# Altium PCB EPS_V1.PcbDoc
Units mm, origin at the board's own origin, x right, y up, seen from the top; angles counter-clockwise.
Board outline 90.17 x 95.89 mm, 4 copper layers (Top Layer, Int1 (GND), Int2 (PWR), Bottom Layer), stack 1.369 mm thick; 54 components, 39 nets, 339 pads, 0 vias.
Unrouted connection lines stored in the file: 126.
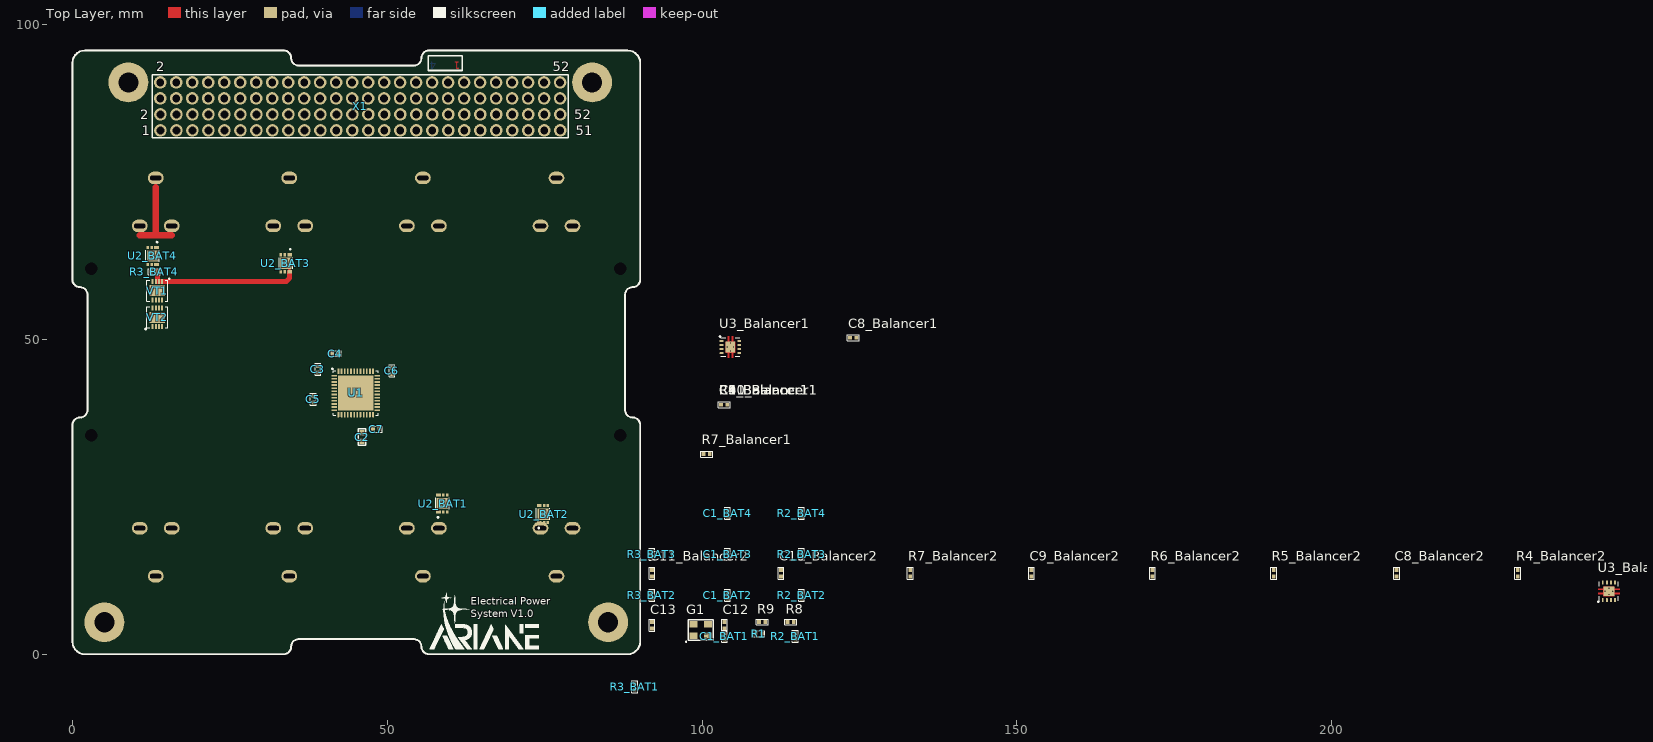
[diagram p0: Top Layer view]
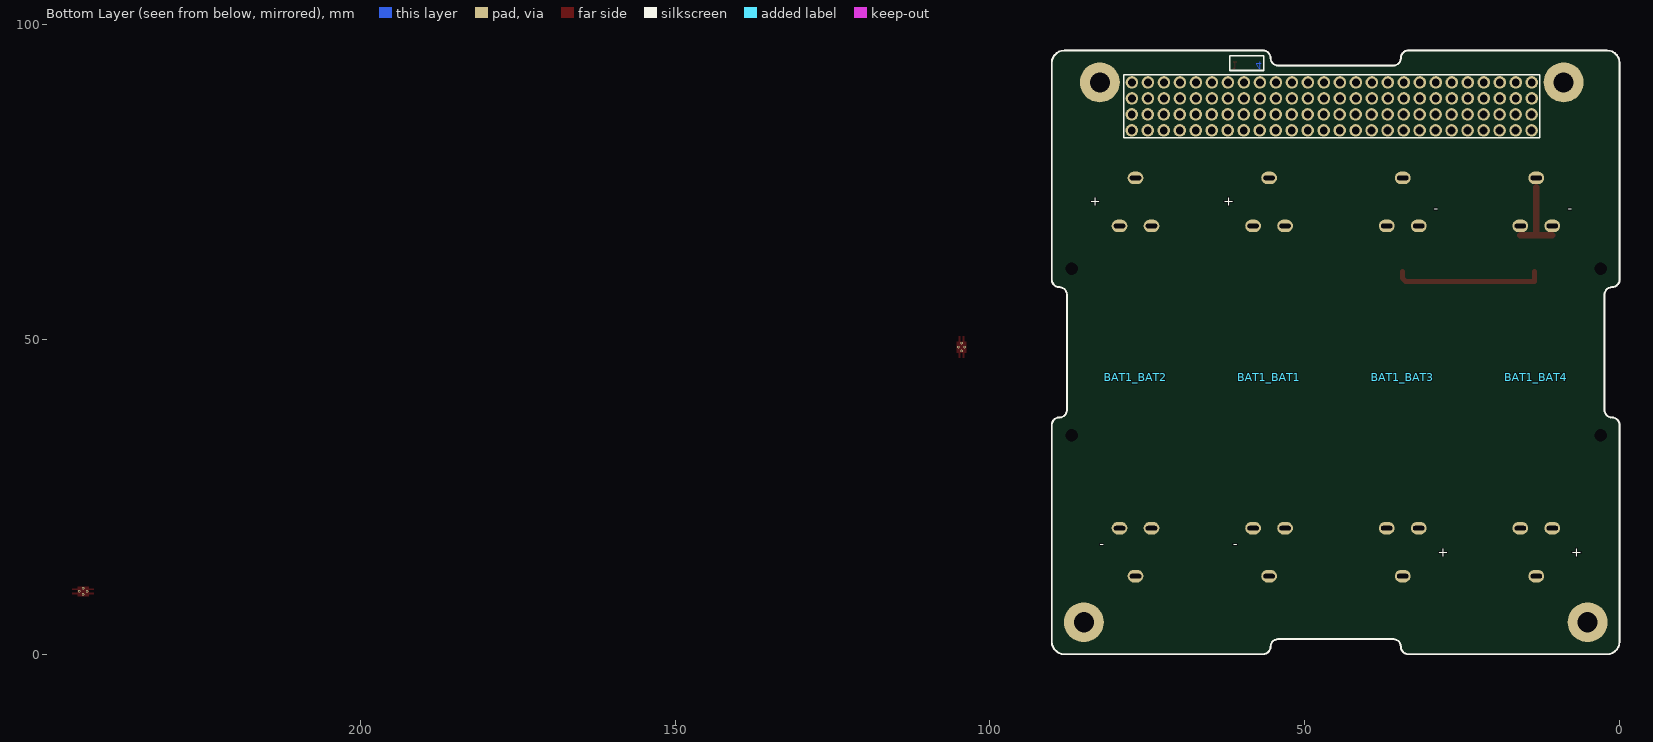
[diagram p1: Bottom Layer view, seen from below]
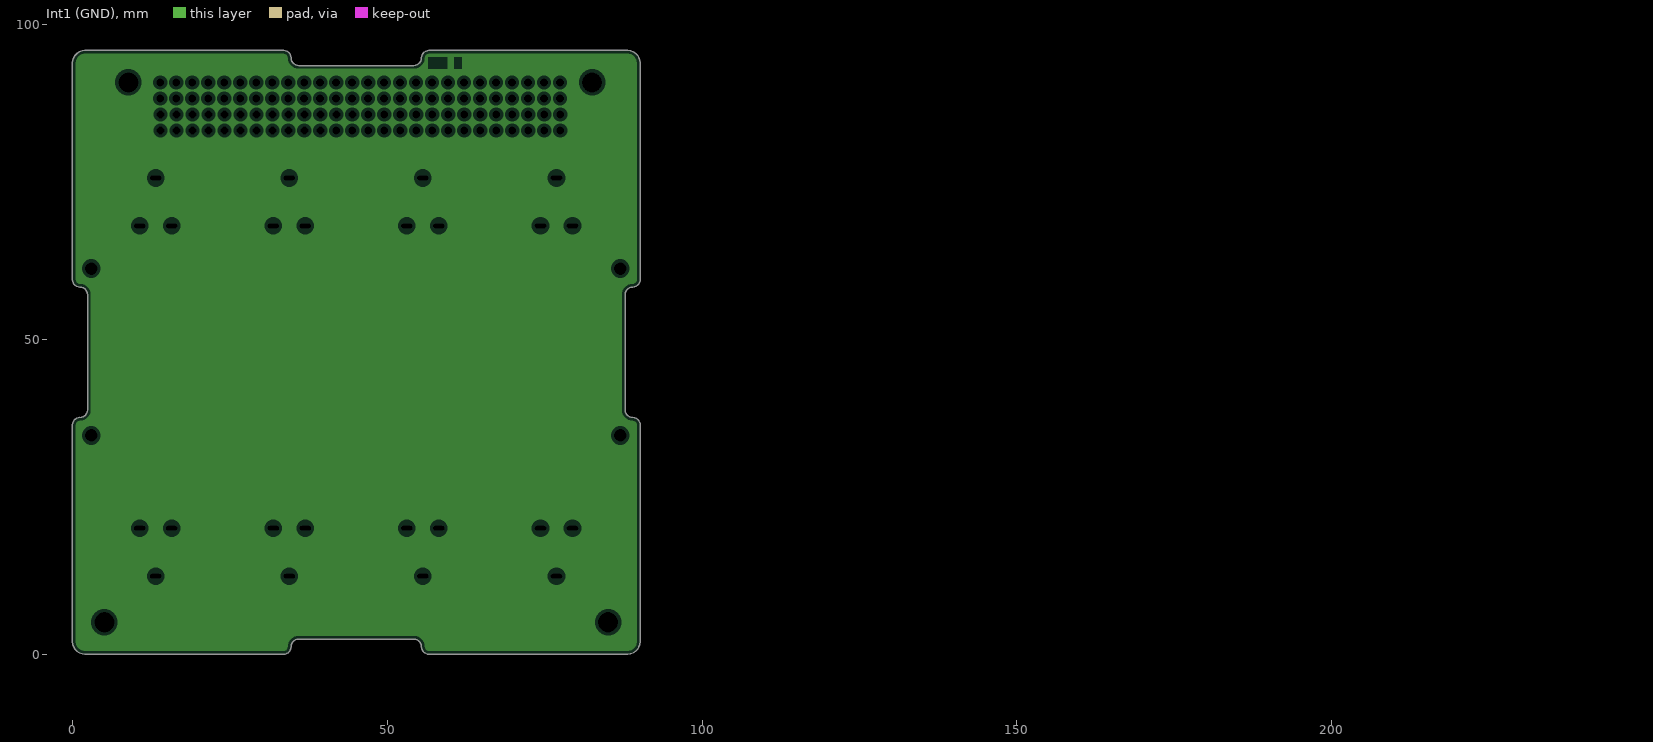
[diagram p2: Int1 (GND), clearances drawn from the general rule]
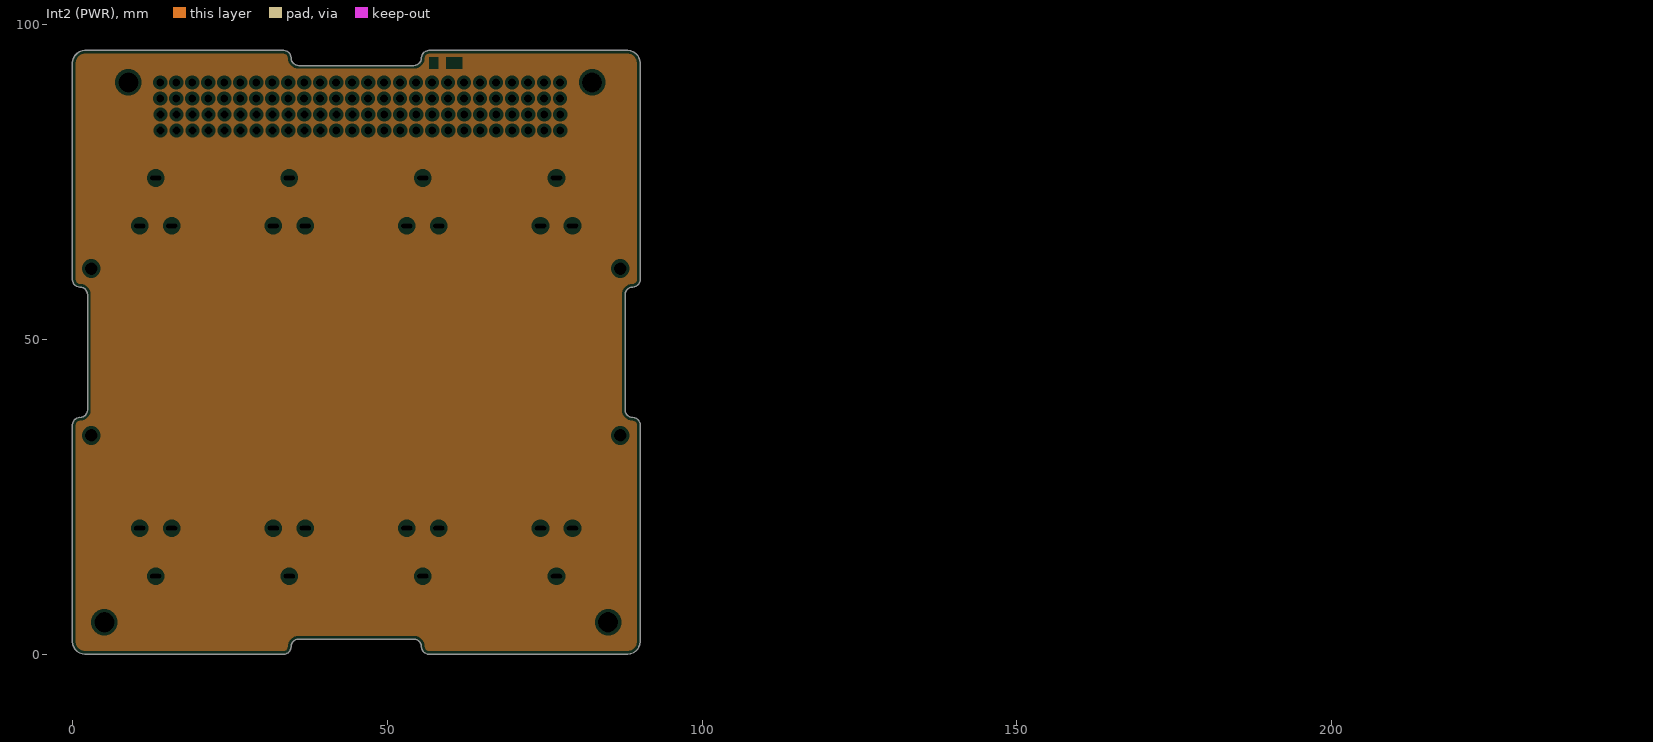
[diagram p3: Int2 (PWR), clearances drawn from the general rule]

## Layer stack, top to bottom
Top Solder: solder mask 0.0254, SM-001, Dk 4
Top Layer: signal copper 0.035
Dielectric 1: prepreg 0.1295, PP-017, Dk 4.3
Dielectric 2: prepreg 0.1295, PP-017, Dk 4.3
Int1 (GND): plane copper 0.035
Dielectric 3: core 0.7112, Core-039, Dk 4.8
Int2 (PWR): plane copper 0.035
Dielectric 4: prepreg 0.1295, PP-017, Dk 4.3
Dielectric 5: prepreg 0.1295, PP-017, Dk 4.3
Bottom Layer: signal copper 0.035
Bottom Solder: solder mask 0.0254, SM-001, Dk 4

## Board outline
0.003,2.002 0.053,1.557 0.201,1.135 0.439,0.755 0.756,0.439 1.135,0.2 1.558,0.053 2.003,0.002 33.538,0.002 33.805,0.033 34.059,0.121 34.286,0.264 34.476,0.454 34.619,0.682 34.708,0.935 34.738,1.202 34.768,1.469 34.857,1.723 35,1.951 35.19,2.141 35.417,2.284 35.671,2.372 35.938,2.402 54.238,2.402 54.505,2.372 54.759,2.284 54.986,2.141 55.176,1.951 55.319,1.723 55.408,1.469 55.438,1.202 55.468,0.935 55.557,0.682 55.7,0.454 55.89,0.264 56.117,0.121 56.371,0.033 56.638,0.002 88.173,0.002 88.618,0.053 89.041,0.2 89.42,0.439 89.737,0.755 89.975,1.135 90.123,1.557 90.173,2.002 90.173,36.397 90.143,36.664 90.054,36.918 89.911,37.146 89.721,37.336 89.494,37.479 89.24,37.567 88.973,37.597 88.706,37.628 88.452,37.716 88.225,37.859 88.035,38.049 87.892,38.277 87.803,38.53 87.773,38.797 87.773,57.097 87.803,57.364 87.892,57.618 88.035,57.846 88.225,58.036 88.452,58.179 88.706,58.267 88.973,58.297 89.24,58.328 89.494,58.416 89.721,58.559 89.911,58.749 90.054,58.977 90.143,59.23 90.173,59.497 90.173,93.892 90.123,94.337 89.975,94.76 89.737,95.139 89.42,95.456 89.041,95.694 88.618,95.842 88.173,95.892 56.638,95.892 56.371,95.862 56.117,95.774 55.89,95.631 55.7,95.441 55.557,95.213 55.468,94.959 55.438,94.692 55.408,94.425 55.319,94.172 55.176,93.944 54.986,93.754 54.759,93.611 54.505,93.523 54.238,93.492 35.938,93.492 35.671,93.523 35.417,93.611 35.19,93.754 35,93.944 34.857,94.172 34.768,94.425 34.738,94.692 34.708,94.959 34.619,95.213 34.476,95.441 34.286,95.631 34.059,95.774 33.805,95.862 33.538,95.892 2.003,95.892 1.558,95.842 1.135,95.694 0.756,95.456 0.439,95.139 0.201,94.76 0.053,94.337 0.003,93.892 0.003,59.497 0.033,59.23 0.122,58.977 0.265,58.749 0.455,58.559 0.682,58.416 0.936,58.328 1.203,58.297 1.47,58.267 1.724,58.179 1.951,58.036 2.141,57.846 2.284,57.618 2.373,57.364 2.403,57.097 2.403,38.797 2.373,38.53 2.284,38.277 2.141,38.049 1.951,37.859 1.724,37.716 1.47,37.628 1.203,37.597 0.936,37.567 0.682,37.479 0.455,37.336 0.265,37.146 0.122,36.918 0.033,36.664 0.003,36.397

## Design rules (kind name [scope] priority, off if disabled: settings)
BoardOutlineClearance [All] p1: gap=0.3 ignorepadtopadclearanceinfootprint=FALSE
Clearance Clearance_MultiLayerPad [OnLayer('Multi-Layer') and IsPad] p1: gap=0.2 ignorepadtopadclearanceinfootprint=FALSE except(0: Arc-Hole Track-Hole SMDPad-Hole THPad-Hole Via-Hole Fill-Hole Poly-Hole Region-Hole Text-Hole)
Clearance Clearance_Polygon [InPolygon] p2: gap=0.15 ignorepadtopadclearanceinfootprint=FALSE except(0: Arc-Hole Track-Hole SMDPad-Hole THPad-Hole Via-Hole Fill-Hole Poly-Hole Region-Hole Text-Hole; 0.2: Arc-Poly Arc-Region Track-Poly Track-Region SMDPad-Poly SMDPad-Region THPad-Poly THPad-Region Via-Poly Via-Region Fill-Poly Fill-Region Poly-Poly Poly-Region)
Clearance [All] p3: gap=0.15 ignorepadtopadclearanceinfootprint=FALSE except(0: Arc-Hole Track-Hole SMDPad-Hole THPad-Hole Via-Hole Fill-Hole Poly-Hole Region-Hole Text-Hole)
ComponentClearance [All] p1: gap=0.5 collisioncheckmode=3 verticalgap=0.5 showdistances=FALSE
DiffPairsRouting [All] p1: maxlimit=0.4 minlimit=0.15 mostfreqgap=0.3 toplayer_minwidth=0.15 toplayer_maxwidth=0.3 toplayer_prefwidth=0.15 bottomlayer_minwidth=0.15 bottomlayer_maxwidth=0.3 bottomlayer_prefwidth=0.15 maxuncoupledlength=12.7
Height [All] p1: minheight=0 maxheight=50 prefheight=12.7
HoleSize [All] p1: absolutevalues=TRUE maxlimit=10 minlimit=0.3 maxpercent=80.000 minpercent=20.000
HoleToHoleClearance [All] p1: gap=0.3 allowstackedmicrovias=TRUE
MinimumSolderMaskSliver [All] p1: minsoldermaskwidth=0.2
PlaneClearance [All] p1: clearance=0.5
PlaneConnect [All] p1: planeconnectstyle=Relief reliefexpansion=0.5 reliefentries=4 reliefconductorwidth=0.3 reliefairgap=0.2
PolygonConnect PolygonConnect_PadGND [InNet('GND') and IsPad] p1: connectstyle=Relief reliefconductorwidth=0.3 reliefentries=4 polygonreliefangle="90 Angle" airgapwidth=0.2
PolygonConnect PolygonConnect_Via [IsVia] p2: connectstyle=Direct reliefconductorwidth=0.254 reliefentries=4 polygonreliefangle="90 Angle" airgapwidth=0.254
PolygonConnect [All] p3: connectstyle=Relief reliefconductorwidth=0.3 reliefentries=4 polygonreliefangle="90 Angle" airgapwidth=0.2
RoutingVias [All] p1: holewidth=0.3 width=0.7 viastyle="Through Hole" minholewidth=0.3 minwidth=0.6 maxholewidth=0.5 maxwidth=1.2
SilkToSolderMaskClearance [IsPad] p1: minsilkscreentomaskgap=0.2 clearancetoexposedcopper=TRUE
SolderMaskExpansion [All] p1: expansion=0.075 istentingtop=FALSE
Width [All] p1: maxlimit=10 minlimit=0.15 preferedwidth=0.15
21 further rules are at their usual default settings.

## Classes and differential pairs
channel class Balancer: Balancer1 Balancer2
channel class MPPT: MPPT1 MPPT2
channel class DC-step-down: Step-Down1 Step-Down2
channel class BMS: BAT1 BAT2 BAT3 BAT4

## Components (designator, comment, footprint, x,y, rotation, side; value= is the part's Value field where it differs from the comment)
BAT1_BAT1 "Order?" BAT_18650_CLIPS 55.661,44.02 r0 bottom (schematic designator BAT1)
BAT1_BAT2 "Order?" BAT_18650_CLIPS 76.878,44.02 r0 bottom (schematic designator BAT1)
BAT1_BAT3 "Order?" BAT_18650_CLIPS 34.445,44.02 r180 bottom (schematic designator BAT1)
BAT1_BAT4 "Order?" BAT_18650_CLIPS 13.229,44.02 r180 bottom (schematic designator BAT1)
C1_BAT1 "CERCAP 0402 0.1uF * X7R" "CERCAP 0402" 103.543,2.858 r90 top value=0.1uF (schematic designator C1)
C1_BAT2 "CERCAP 0402 0.1uF * X7R" "CERCAP 0402" 104.043,9.358 r90 top value=0.1uF (schematic designator C1)
C1_BAT3 "CERCAP 0402 0.1uF * X7R" "CERCAP 0402" 104.043,15.858 r90 top value=0.1uF (schematic designator C1)
C1_BAT4 "CERCAP 0402 0.1uF * X7R" "CERCAP 0402" 104.043,22.358 r90 top value=0.1uF (schematic designator C1)
C2 "CERCAP 0603 4.7uF * X7R" "CERCAP 0603" 46,34.5 r90 top value=4.7uF
C3 "CERCAP 0402 0.1uF * X7R" "CERCAP 0402" 39,45.25 r270 top value=0.1uF
C4 "CERCAP 0402 0.1uF * X7R" "CERCAP 0402" 41.75,47.75 r180 top value=0.1uF
C5 "CERCAP 0402 0.1uF * X7R" "CERCAP 0402" 38.25,40.5 r270 top value=0.1uF
C6 "CERCAP 0402 0.1uF * X7R" "CERCAP 0402" 50.75,45 r90 top value=0.1uF
C7 "CERCAP 0402 0.1uF * X7R" "CERCAP 0402" 48.25,35.75 r0 top value=0.1uF
C8_Balancer1 "CERCAP 0402 0.1uF * X7R" "CERCAP 0402" 124,50.25 r0 top value=0.1uF (schematic designator C8)
C8_Balancer2 "CERCAP 0402 0.1uF * X7R" "CERCAP 0402" 210.292,12.858 r90 top value=0.1uF (schematic designator C8)
C9_Balancer1 "CERCAP 0402 0.1uF * X7R" "CERCAP 0402" 103.5,39.625 r0 top value=0.1uF (schematic designator C9)
C9_Balancer2 "CERCAP 0402 0.1uF * X7R" "CERCAP 0402" 152.293,12.858 r90 top value=0.1uF (schematic designator C9)
C10_Balancer1 "CERCAP 0402 0.1uF * X7R" "CERCAP 0402" 103.5,39.625 r0 top value=0.1uF (schematic designator C10)
C10_Balancer2 "CERCAP 0402 0.1uF * X7R" "CERCAP 0402" 112.543,12.858 r90 top value=0.1uF (schematic designator C10)
C11_Balancer1 "CERCAP 0402 0.1uF * X7R" "CERCAP 0402" 103.5,39.625 r0 top value=0.1uF (schematic designator C11)
C11_Balancer2 "CERCAP 0402 0.1uF * X7R" "CERCAP 0402" 92.043,12.858 r90 top value=0.1uF (schematic designator C11)
C12 "CERCAP 0402 22pF * X7R" "CERCAP 0402" 103.543,4.608 r90 top value=22pF
C13 "CERCAP 0402 22pF * X7R" "CERCAP 0402" 92.043,4.608 r90 top value=22pF
G1 "322512 MHz" 3225 99.793,3.858 r0 top value="12 MHz"
R1 "RES 0402 10k" "RES 0402" 109,3.25 r0 top value=10k
R2_BAT1 "RES 0402 330" "RES 0402" 114.793,2.858 r90 top value=330 (schematic designator R2)
R2_BAT2 "RES 0402 330" "RES 0402" 115.793,9.358 r90 top value=330 (schematic designator R2)
R2_BAT3 "RES 0402 330" "RES 0402" 115.793,15.858 r90 top value=330 (schematic designator R2)
R2_BAT4 "RES 0402 330" "RES 0402" 115.793,22.358 r90 top value=330 (schematic designator R2)
R3_BAT1 "RES 0402 2.7k" "RES 0402" 89.293,-5.142 r90 top value=2.7k (schematic designator R3)
R3_BAT2 "RES 0402 2.7k" "RES 0402" 92.043,9.358 r90 top value=2.7k (schematic designator R3)
R3_BAT3 "RES 0402 2.7k" "RES 0402" 92.043,15.858 r90 top value=2.7k (schematic designator R3)
R3_BAT4 "RES 0402 2.7k" "RES 0402" 13,60.75 r180 top value=2.7k (schematic designator R3)
R4_Balancer1 "RES 0402 160" "RES 0402" 103.5,39.625 r0 top value=160 (schematic designator R4)
R4_Balancer2 "RES 0402 160" "RES 0402" 229.542,12.858 r90 top value=160 (schematic designator R4)
R5_Balancer1 "RES 0402 260" "RES 0402" 103.5,39.625 r0 top value=260 (schematic designator R5)
R5_Balancer2 "RES 0402 260" "RES 0402" 190.792,12.858 r90 top value=260 (schematic designator R5)
R6_Balancer1 "RES 0402 100" "RES 0402" 103.5,39.625 r0 top value=100 (schematic designator R6)
R6_Balancer2 "RES 0402 100" "RES 0402" 171.542,12.858 r90 top value=100 (schematic designator R6)
R7_Balancer1 "RES 0402 100" "RES 0402" 100.72,31.779 r0 top value=100 (schematic designator R7)
R7_Balancer2 "RES 0402 100" "RES 0402" 133.043,12.858 r90 top value=100 (schematic designator R7)
R8 "RES 0402 10k" "RES 0402" 114.043,5.108 r0 top value=10k
R9 "RES 0402 10k" "RES 0402" 109.543,5.108 r0 top value=10k
U1 "STM32F4xxCxU" QFN-48 45,41.5 r0 top
U2_BAT1 "AP9211" DFN-8-2x3 58.753,23.935 r90 top (schematic designator U2)
U2_BAT2 "AP9211" DFN-8-2x3 74.75,22.25 r90 top (schematic designator U2)
U2_BAT3 "AP9211" DFN-8-2x3 33.9,62.1 r270 top (schematic designator U2)
U2_BAT4 "AP9211" DFN-8-2x3 12.75,63.25 r270 top (schematic designator U2)
U3_Balancer1 "BQ2920" VSON-8 104.5,48.788 r0 top (schematic designator U3)
U3_Balancer2 "BQ2920" VSON-8 244,10 r90 top (schematic designator U3)
VT1 "!Generic N MOSFET" DFN-8_3x3 13.5,57.75 r270 top
VT2 "!Generic N MOSFET" DFN-8_3x3 13.5,53.494 r90 top
X1 "PC104" PC104_ArianSpace 8.893,90.812 r0 top locked

## Footprints (in the part's own frame and the unit in brackets; to place one, negate y for a bottom-side part, rotate by r counter-clockwise, add the part's x,y. Pads: shape width x height; smd on the part's side, far side on the other; paste and mask are expansions set on the pad)
3225 [mm]
  rect 1.3x1.05 smd: 1(-1.15,-0.925) 2(1.15,-0.925) 3(1.15,0.925) 4(-1.15,0.925)
  silkscreen extent -2.39,-1.94 2,1.65, body extent -1.6,-1.25 1.6,1.25, height 0.81
BAT_18650_CLIPS [mm]
  oval 2.5x2 hole 0.7 slot 1.8 at 0 deg unplated: A(-2.54,-24) A(0,-31.62) A(2.54,-24) K(-2.54,24) K(0,31.62) K(2.54,24)
  body extent -10.29,-37.18 10.29,37.28, height 21
"CERCAP 0402" [mm]
  rect 0.6x0.6 smd: 1(-0.5,0) 2(0.5,0)
  silkscreen extent -0.96,-0.46 0.95,0.46, body extent -0.51,-0.25 0.51,0.25, height 0.51
"CERCAP 0603" [mm]
  rect 0.85x0.85 smd: 1(-0.7,0) 2(0.7,0)
  silkscreen extent -1.33,-0.63 1.33,0.63, body extent -0.8,-0.4 0.8,0.4, height 0.3
DFN-8-2x3 [mm]
  rect 0.5x0.75 smd: 1(-1.35,0.6) 6(1.35,0.6)
  rect 0.5x0.4 smd: 2(-1.35,-0.175) 3(-1.35,-0.775) 4(1.35,-0.775) 5(1.35,-0.175)
  rect 1.8x1.8 smd paste-2: TH(0,0)
  silkscreen extent -2.3,-1.07 0.9,1.07, body extent -1.52,-1 1.53,1, height 1
DFN-8_3x3 [mil]
  rect 31x12 smd: 1(-57.5,29.53) 2(-57.5,9.84) 3(-57.5,-9.84) 4(-57.5,-29.53) 5(57.5,-29.53) 6(57.5,-9.84) 7(57.5,9.84) 8(57.5,29.53)
  rect 69x98 smd paste-78.74: TH(0,0)
  silkscreen extent -77,-66 66,78, body extent -59,-59 59,59, height 31
PC104_ArianSpace [mm]
  round 2 hole 1.25 unplated mask+0: 1(5.079,-7.62) 2(5.08,-5.08) 3(7.619,-7.62) 4(7.62,-5.08) 5(10.159,-7.62) 6(10.16,-5.08) 7(12.699,-7.62) 8(12.7,-5.08) 9(15.239,-7.62) 10(15.24,-5.08) 11(17.779,-7.62) 12(17.78,-5.08) 13(20.319,-7.62) 14(20.32,-5.08) 15(22.859,-7.62) 16(22.86,-5.08) 17(25.399,-7.62) 18(25.4,-5.08) 19(27.939,-7.62) 20(27.94,-5.08) 21(30.479,-7.62) 22(30.48,-5.08) 23(33.019,-7.62) 24(33.02,-5.08) 25(35.559,-7.62) 26(35.56,-5.08) 27(38.099,-7.62) 28(38.1,-5.08) 29(40.639,-7.62) 30(40.64,-5.08) 31(43.179,-7.62) 32(43.18,-5.08) 33(45.719,-7.62) 34(45.72,-5.08) 35(48.259,-7.62) 36(48.26,-5.08) 37(50.799,-7.62) 38(50.8,-5.08) 39(53.339,-7.62) 40(53.34,-5.08) 41(55.879,-7.62) 42(55.88,-5.08) 43(58.419,-7.62) 44(58.42,-5.08) 45(60.959,-7.62) 46(60.96,-5.08) 47(63.499,-7.62) 48(63.5,-5.08) 49(66.039,-7.62) 50(66.04,-5.08) 51(68.579,-7.62) 52(68.58,-5.08) 53(5.057,-2.54) 54(5.058,0) 55(7.597,-2.54) 56(7.598,0) 57(10.137,-2.54) 58(10.138,0) 59(12.677,-2.54) 60(12.678,0) 61(15.217,-2.54) 62(15.218,0) 63(17.757,-2.54) 64(17.758,0) 65(20.297,-2.54) 66(20.298,0) 67(22.837,-2.54) 68(22.838,0) 69(25.377,-2.54) 70(25.378,0) 71(27.917,-2.54) 72(27.918,0) 73(30.457,-2.54) 74(30.458,0) 75(32.997,-2.54) 76(32.998,0) 77(35.537,-2.54) 78(35.538,0) 79(38.077,-2.54) 80(38.078,0) 81(40.617,-2.54) 82(40.618,0) 83(43.157,-2.54) 84(43.158,0) 85(45.697,-2.54) 86(45.698,0) 87(48.237,-2.54) 88(48.238,0) 89(50.777,-2.54) 90(50.778,0) 91(53.317,-2.54) 92(53.318,0) 93(55.857,-2.54) 94(55.858,0) 95(58.397,-2.54) 96(58.398,0) 97(60.937,-2.54) 98(60.938,0) 99(63.477,-2.54) 100(63.478,0) 101(66.017,-2.54) 102(66.018,0) 103(68.557,-2.54) 104(68.558,0)
  silkscreen extent 3.76,-8.81 69.82,1.22, body extent 3.76,-8.84 69.8,1.32, height 7.68
QFN-48 [mm]
  rrect25% 0.87x0.27 smd: 1(-3.43,2.75) 2(-3.43,2.25) 3(-3.43,1.75) 4(-3.43,1.25) 5(-3.43,0.75) 6(-3.43,0.25) 7(-3.43,-0.25) 8(-3.43,-0.75) 9(-3.43,-1.25) 10(-3.43,-1.75) 11(-3.43,-2.25) 12(-3.43,-2.75) 25(3.43,-2.75) 26(3.43,-2.25) 27(3.43,-1.75) 28(3.43,-1.25) 29(3.43,-0.75) 30(3.43,-0.25) 31(3.43,0.25) 32(3.43,0.75) 33(3.43,1.25) 34(3.43,1.75) 35(3.43,2.25) 36(3.43,2.75)
  rrect25% 0.27x0.87 smd: 13(-2.75,-3.43) 14(-2.25,-3.43) 15(-1.75,-3.43) 16(-1.25,-3.43) 17(-0.75,-3.43) 18(-0.25,-3.43) 19(0.25,-3.43) 20(0.75,-3.43) 21(1.25,-3.43) 22(1.75,-3.43) 23(2.25,-3.43) 24(2.75,-3.43) 37(2.75,3.43) 38(2.25,3.43) 39(1.75,3.43) 40(1.25,3.43) 41(0.75,3.43) 42(0.25,3.43) 43(-0.25,3.43) 44(-0.75,3.43) 45(-1.25,3.43) 46(-1.75,3.43) 47(-2.25,3.43) 48(-2.75,3.43)
  rect 5.6x5.6 smd paste-4: TH(0,0)
  silkscreen extent -3.8,-3.55 3.55,3.93, body extent -3.51,-3.51 3.51,3.51, height 0.78
"RES 0402" [mm]
  rect 0.6x0.6 smd: 1(-0.5,0) 2(0.5,0)
  silkscreen extent -0.95,-0.46 0.95,0.46, body extent -0.52,-0.25 0.48,0.25, height 0.34
VSON-8 [mm]
  rrect25% 0.6x0.31 smd mask+0: 1(-1.4,0.975) 2(-1.4,0.325) 3(-1.4,-0.325) 4(-1.4,-0.975) 5(1.4,-0.975) 6(1.4,-0.325) 7(1.4,0.325) 8(1.4,0.975)
  round 0.4 hole 0.2 mask+0: TH(-0.5,0) TH(0,-0.625) TH(0,0.625) TH(0.5,0)
  rect 1.5x1.75 smd paste-2 mask+0: TH(0,0)
  Top Layer region: 0.44,0.875 0.75,0.875 0.75,-0.875 0.44,-0.875 0.44,-1.7 0.21,-1.7 0.21,-0.875 -0.21,-0.875 -0.21,-1.7 -0.44,-1.7 -0.44,-0.875 -0.75,-0.875 -0.75,0.875 -0.44,0.875 -0.44,1.7 -0.21,1.7 -0.21,0.875 0.21,0.875 0.21,1.7 0.44,1.7
  silkscreen extent -1.75,-1.5 1.5,1.77, body extent -1.5,-1.5 1.5,1.5, height 1

## Part data
BAT1_BAT1 BAT1_BAT2 BAT1_BAT3 BAT1_BAT4: library part !Battery, "generic battery"
C1_BAT1 C1_BAT2 C1_BAT3 C1_BAT4 C2 C3 C4 C5 C6 C7 C8_Balancer1 C8_Balancer2 C9_Balancer1 C9_Balancer2 C10_Balancer1 C10_Balancer2 C11_Balancer1 C11_Balancer2 C12 C13: library part !Capacitor, "Capacitor", Diel=X7R, IsSMT=NoSMT
G1: library part Crystal, "Crystal", IsSMT=NoSMT
R1 R2_BAT1 R2_BAT2 R2_BAT3 R2_BAT4 R3_BAT1 R3_BAT2 R3_BAT3 R3_BAT4 R4_Balancer1 R4_Balancer2 R5_Balancer1 R5_Balancer2 R6_Balancer1 R6_Balancer2 R7_Balancer1 R7_Balancer2 R8 R9: library part !Resistor, "Resistor", IsSMT=NoSMT
U1: "Cortex-M4"
U2_BAT1 U2_BAT2 U2_BAT3 U2_BAT4: "BMS with built-in keys", IsSMT=NoSMT
U3_Balancer1 U3_Balancer2: "2S li-ion balancer"
VT1 VT2: "generic N mosfet", IsSMT=NoSMT
X1: library part PC104_ArianSpace, "PC104 connector"

## Free pads (board coordinates)
  round 6.35 hole 3.18: 1(5.083,5.082) 1(8.893,90.812) 1(82.553,90.812) 1(85.093,5.082)
  round 1 hole 2 unplated: 2(3,34.75) 2(3,61.25) 2(87,34.75) 2(87,61.25)

## Nets (pads, with @x,y where several pads share a name; then routed paths per layer and width w, separated by ;. In a path a pad name is that pad's centre, name@x,y a point inside that pad or via, vN(x,y) a via of type N, cw(c..) or ccw(c..) an arc to the next point about the centre after c; other vN are vias at no path point)
+3.3V: C3.2 C4.2 C5.2 C6.2 C7.2 R8.2 U1.1 U1.9 U1.24 U1.36 U1.48
BAT_2S: BAT1_BAT1.A BAT1_BAT2.A R1.2 R2_BAT1.2 R2_BAT2.2 R4_Balancer1.1 R4_Balancer2.1 R6_Balancer1.2 R6_Balancer2.2
GND: C2.1 C3.1 C4.1 C5.1 C6.1 C7.1 C9_Balancer1.1 C9_Balancer2.1 C10_Balancer1.1 C10_Balancer2.1 C11_Balancer1.1 C11_Balancer2.1 C12.2 C13.2 R9.1 U1.8 U1.23 U1.35 U1.47 U3_Balancer1.5 U3_Balancer1.TH U3_Balancer2.5 U3_Balancer2.TH VT2.1 VT2.2 VT2.3
NetBAT1_BAT1_K: BAT1_BAT1.K C1_BAT1.1 U2_BAT1.1 U2_BAT1.2
NetBAT1_BAT2_K: BAT1_BAT2.K C1_BAT2.1 U2_BAT2.1 U2_BAT2.2
NetBAT1_BAT3_A: BAT1_BAT3.A R2_BAT3.2 R3_BAT1.1 R5_Balancer2.1 R7_Balancer2.1 U2_BAT1.6
NetBAT1_BAT3_K: BAT1_BAT3.K C1_BAT3.1 U2_BAT3.1 U2_BAT3.2
NetBAT1_BAT4_A: BAT1_BAT4.A R2_BAT4.2 R3_BAT2.1 R5_Balancer1.1 R7_Balancer1.1 U2_BAT2.6
NetBAT1_BAT4_K: BAT1_BAT4.K C1_BAT4.1 U2_BAT4.1 U2_BAT4.2 | length 12.7
  Top Layer w1: 10.689,66.52 13.229,66.52 ; 13.229,74.14 13.229,66.52 ; 15.769,66.52 13.229,66.52
NetC1_BAT1_2: C1_BAT1.2 R2_BAT1.1 U2_BAT1.3
NetC1_BAT2_2: C1_BAT2.2 R2_BAT2.1 U2_BAT2.3
NetC1_BAT3_2: C1_BAT3.2 R2_BAT3.1 U2_BAT3.3
NetC1_BAT4_2: C1_BAT4.2 R2_BAT4.1 U2_BAT4.3
NetC2_2: C2.2 U1.22
NetC8_Balancer1_1: C8_Balancer1.1 C10_Balancer1.2 R5_Balancer1.2 U3_Balancer1.2
NetC8_Balancer1_2: C8_Balancer1.2 R4_Balancer1.2 U3_Balancer1.1
NetC8_Balancer2_1: C8_Balancer2.1 C10_Balancer2.2 R5_Balancer2.2 U3_Balancer2.2
NetC8_Balancer2_2: C8_Balancer2.2 R4_Balancer2.2 U3_Balancer2.1
NetC9_Balancer1_2: C9_Balancer1.2 R6_Balancer1.1 U3_Balancer1.7
NetC9_Balancer2_2: C9_Balancer2.2 R6_Balancer2.1 U3_Balancer2.7
NetC11_Balancer1_2: C11_Balancer1.2 U3_Balancer1.4
NetC11_Balancer2_2: C11_Balancer2.2 U3_Balancer2.4
NetC12_1: C12.1 G1.3 U1.5
NetC13_1: C13.1 G1.1 U1.6
NetR1_1: R1.1 VT1.4 VT2.4
NetR3_BAT1_2: R3_BAT1.2 U2_BAT1.5
NetR3_BAT2_2: R3_BAT2.2 U2_BAT2.5
NetR3_BAT3_1: R3_BAT3.1 R3_BAT4.1 U2_BAT3.6 U2_BAT4.6 VT1.1 VT1.2 VT1.3 | length 23.9
  Top Layer w0.8: 13.5,59.211 VT1.2 ; R3_BAT4.1 13.5,59.461 VT1.2 ; U2_BAT3.6 34.5,59.75 33.961,59.211 VT1.1 VT1.2
NetR3_BAT3_2: R3_BAT3.2 U2_BAT3.5
NetR3_BAT4_2: R3_BAT4.2 U2_BAT4.5
NetR7_Balancer1_2: R7_Balancer1.2 U3_Balancer1.3
NetR7_Balancer2_2: R7_Balancer2.2 U3_Balancer2.3
NetR8_1: R8.1 U1.7
NetR9_2: R9.2 U1.44
NetU1_34: U1.34
NetU1_37: U1.37
NetU3_Balancer1_6: U3_Balancer1.6 U3_Balancer2.6
NetU3_Balancer1_8: U3_Balancer1.8 U3_Balancer2.8
NetVT1_D6: VT1.5 VT1.6 VT1.7 VT1.8 VT1.TH VT2.5 VT2.6 VT2.7 VT2.8 VT2.TH
pads on no net: G1.2 G1.4 U1.2 U1.3 U1.4 U1.10 U1.11 U1.12 U1.13 U1.14 U1.15 U1.16 U1.17 U1.18 U1.19 U1.20 U1.21 U1.25 U1.26 U1.27 U1.28 U1.29 U1.30 U1.31 U1.32 U1.33 U1.38 U1.39 U1.40 U1.41 U1.42 U1.43 U1.45 U1.46 U1.TH U2_BAT1.4 U2_BAT1.TH U2_BAT2.4 U2_BAT2.TH U2_BAT3.4 U2_BAT3.TH U2_BAT4.4 U2_BAT4.TH X1.1 X1.2 X1.3 X1.4 X1.5 X1.6 X1.7 X1.8 X1.9 X1.10 X1.11 X1.12 X1.13 X1.14 X1.15 X1.16 X1.17 X1.18 X1.19 X1.20 X1.21 X1.22 X1.23 X1.24 X1.25 X1.26 X1.27 X1.28 X1.29 X1.30 X1.31 X1.32 X1.33 X1.34 X1.35 X1.36 X1.37 X1.38 X1.39 X1.40 X1.41 X1.42 X1.43 X1.44 X1.45 X1.46 X1.47 X1.48 X1.49 X1.50 X1.51 X1.52 X1.53 X1.54 X1.55 X1.56 X1.57 X1.58 X1.59 X1.60 X1.61 X1.62 X1.63 X1.64 X1.65 X1.66 X1.67 X1.68 X1.69 X1.70 X1.71 X1.72 X1.73 X1.74 X1.75 X1.76 X1.77 X1.78 X1.79 X1.80 X1.81 X1.82 X1.83 X1.84 X1.85 X1.86 X1.87 X1.88 X1.89 X1.90 X1.91 X1.92 X1.93 X1.94 X1.95 X1.96 X1.97 X1.98 X1.99 X1.100 X1.101 X1.102 X1.103 X1.104

## Polygon pours and split planes (outlines as drawn)
no net on Int1 (GND) (split plane): 465 vertices, not listed, extent 0.513,0.513 89.662,95.382
no net on Int2 (PWR) (split plane): 465 vertices, not listed, extent 0.513,0.513 89.662,95.382

## Other copper
Top Layer:
  text "1" at 61.584,94.476 h2 r180
Bottom Layer:
  text "4" at 57.756,94.474 h2 r180
Int1 (GND) (plane layer: these items are gaps in the copper):
  rectangle: 60.663,92.956 61.806,94.786
  rectangle: 56.54,92.956 59.512,94.786
  text "2" at 60.409,94.487 h2 r180
Int2 (PWR) (plane layer: these items are gaps in the copper):
  rectangle: 56.642,92.942 58.115,94.8
  rectangle: 59.359,92.942 61.9,94.8
  text "3" at 59.377,94.8 h2 r180

## Silkscreen, mask and mechanical layers (free items; w line width, h text height)
Top Overlay:
  drawing of 169 lines, arcs and shapes, not listed
  text "52" at 76.312,92.581 h1.52
  text "2" at 13.313,92.55 h1.52
  text "2" at 10.8,84.948 h1.52
  text "52" at 79.686,84.948 h1.52
  text "1" at 11.053,82.408 h1.52
  text "51" at 79.941,82.408 h1.52
  text "Electrical Power  / System V1.0" at 63.245,5.502 h2
Bottom Overlay:
  drawing of 156 lines, arcs and shapes, not listed
Top Solder:
  rectangle: 56.5,92.75 62,95
Bottom Solder:
  rectangle: 56.5,92.75 62,95

## Text inside footprints (layer, text, board x,y; h text height)
BAT1_BAT1: Bottom Overlay "+" at 61.215,72.52 h1.52 r180; Bottom Overlay "-" at 60.615,17.928 h1.52 r180
BAT1_BAT2: Bottom Overlay "+" at 82.431,72.52 h1.52 r180; Bottom Overlay "-" at 81.831,17.928 h1.52 r180
BAT1_BAT3: Bottom Overlay "+" at 28.891,15.52 h1.52; Bottom Overlay "-" at 29.491,70.112 h1.52
BAT1_BAT4: Bottom Overlay "+" at 7.675,15.52 h1.52; Bottom Overlay "-" at 8.275,70.112 h1.52